# Altium PCB PCB2.PcbDoc (part 3 of 3)
Units mil, origin at the board's own origin, x right, y up, seen from the top; angles counter-clockwise.
Board outline 2125.98 x 2755.91 mil, 4 copper layers (Top Layer, Int1 (GND), Int2 (PWR), Bottom Layer), stack 53.912 mil thick; 204 components, 162 nets, 881 pads, 430 vias.
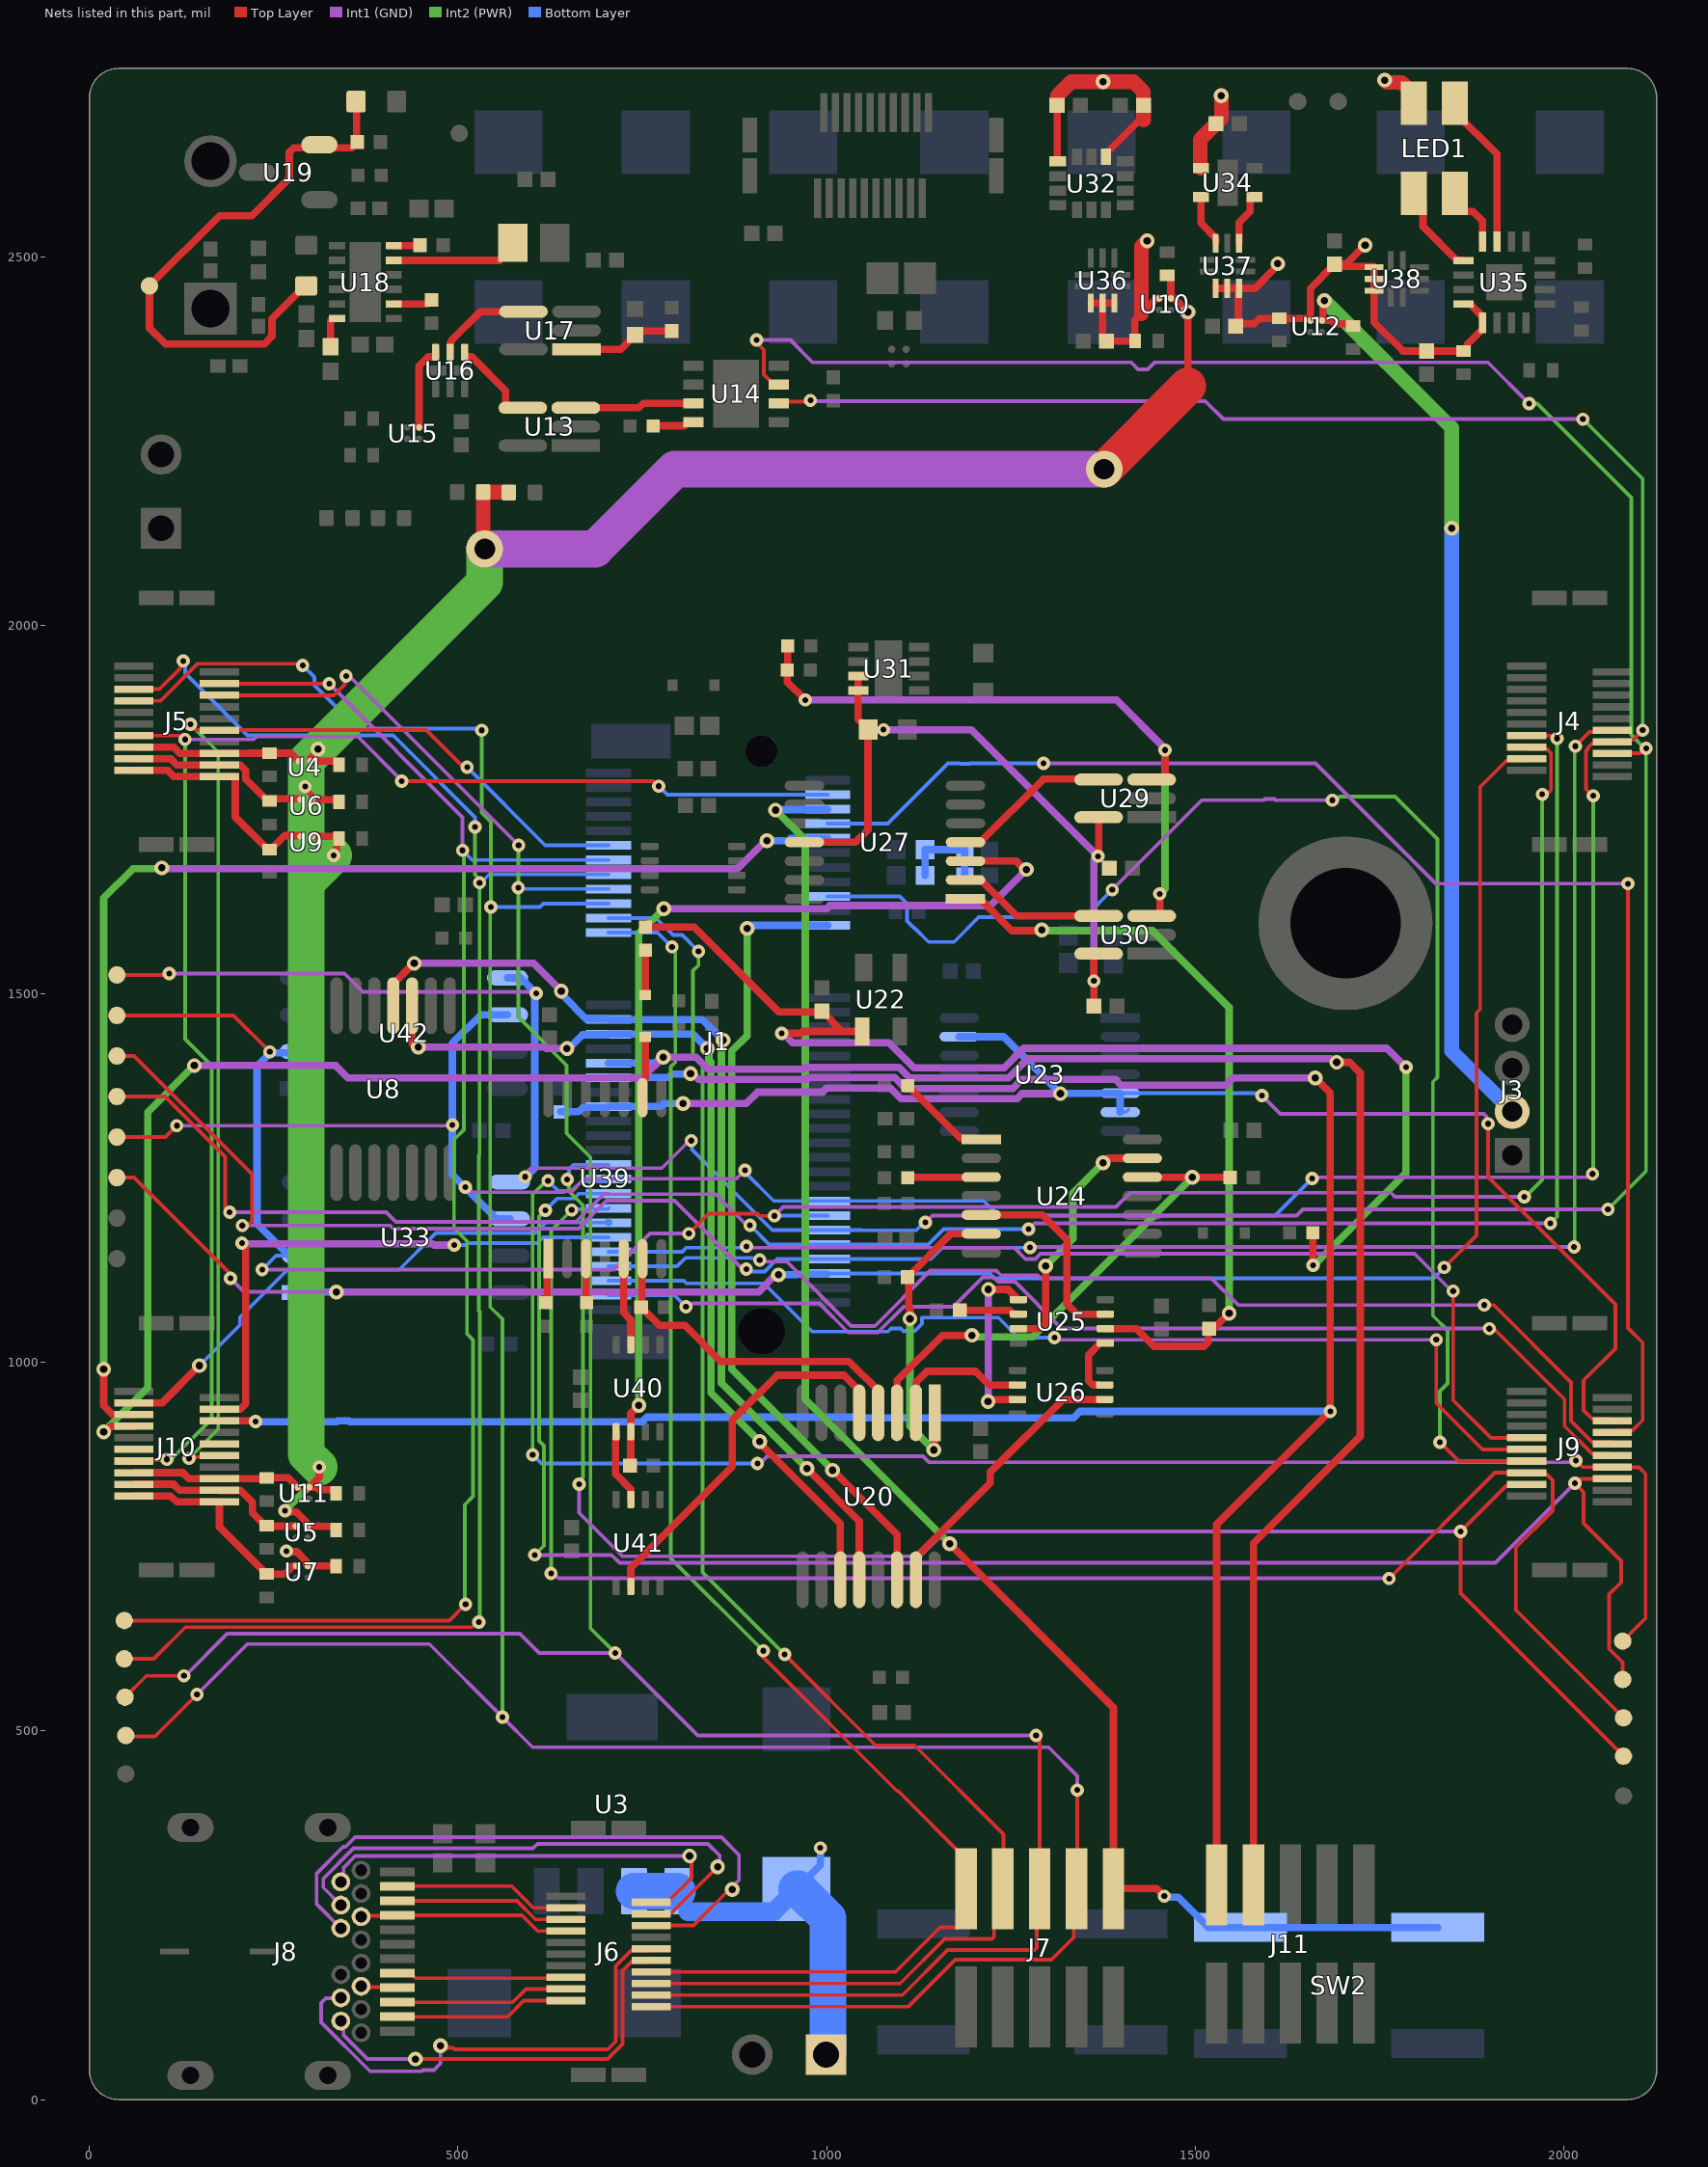
[diagram p5: the nets of this part, all layers, seen from the top]

## Via types
v1: diameter 18, hole 8, Top Layer to Bottom Layer, 311 vias
v2: diameter 20, hole 10, Top Layer to Bottom Layer, 102 vias
v3: diameter 50, hole 28, Top Layer to Bottom Layer, 6 vias
v4: diameter 90, hole 78.74, Top Layer to Bottom Layer, 4 vias
v5: diameter 19.68, hole 7.87, Top Layer to Bottom Layer, 4 vias
v6: diameter 23.62, hole 11.81, Top Layer to Bottom Layer, 2 vias
v7: diameter 30, hole 12, Top Layer to Bottom Layer, 1 vias

## Nets (pads, with @x,y where several pads share a name; then routed paths per layer and width w, separated by ;. In a path a pad name is that pad's centre, name@x,y a point inside that pad or via, vN(x,y) a via of type N, cw(c..) or ccw(c..) an arc to the next point about the centre after c; other vN are vias at no path point) (continued)
NetD3_1: D3.1 R29.2 | length 60.7
  Top Layer w10: D3.1@754.09,1498.74 R29.2@754.09,1559.45
NetD3_2: D3.2 U39.9 | length 83.8
  Top Layer w10: U39.9@750.28,1359.46 750.28,1380.36 754.09,1384.18 D3.2@754.09,1441.65
NetJ6_2: J6.2 J8.A11 | length 237.5
  Top Layer w5: J8.A11@417.56,112.36 567.24,112.36 589.09,134.21 J6.2@646.02,134.21
NetJ6_4: J6.4 J8.A10 | length 235.9
  Top Layer w5: J8.A10@417.56,132.05 574.2,132.05 592.09,149.94 J6.4@646.02,149.96
NetJ6_6: J6.6 J8.A8 | length 231.7
  Top Layer w5: J8.A8@417.56,171.42 435.28,171.42 442.06,164.63 644.95,164.63 J6.6@646.02,165.71
NetJ6_9: J6.9 J8.B2 | length 565.6
  Top Layer w5: v2(442.09,54.94) 702.82,54.94 723.09,75.22 723.09,174.81 734.8,186.52 759.74,186.52 J6.9@762.17,188.94
  Int1 (GND) w5: J8.B2@340.79,106.46 344.73,102.52 344.73,87.04 376.82,54.94 v2(442.09,54.94)
NetJ6_11: J6.11 J8.B3 | length 678.4
  Top Layer w5: v2(476.09,72.94) 478.96,70.07 492.96,70.07 495.09,67.94 703.09,67.94 714.09,78.94 714.09,181.55 734.8,202.26 759.74,202.26 J6.11@762.17,204.69
  Int1 (GND) w5: J8.B3@340.79,137.95 340.18,137.34 320.49,137.34 314.09,130.94 314.09,104.95 380.59,38.44 450.43,38.44 451.93,39.94 467.09,39.94 476.09,48.94 v2(476.09,72.94)
NetJ6_15: J6.15 J8.B8 | length 872.1
  Top Layer w5: J6.15@762.17,236.18 819.33,236.18 868.09,284.94 v2(872.09,284.94)
  Int1 (GND) w5: J8.B8@340.79,232.44 308.09,265.13 308.09,306.94 344.02,342.87 347.29,342.87 360.4,355.98 857.06,355.98 881.02,332.02 881.02,297.93 872.09,289 v2(872.09,284.94)
NetJ6_16: J6.16 J8.A3 | length 239
  Top Layer w5: J8.A3@417.56,269.84 579.71,269.84 605.11,244.45 J6.16@646.02,244.45
NetJ6_17: J6.17 J8.B10 | length 742.6
  Top Layer w5: J6.17@762.17,251.93 764.59,254.35 790.67,254.35 v2(852.09,315.78)
  Int1 (GND) w5: J8.B10@340.79,263.94 317.09,287.63 317.09,299.94 358.09,340.94 601.56,340.94 607.59,346.98 838.95,346.98 854.96,330.96 854.96,318.65 v2(852.09,315.78)
NetJ6_18: J6.18 J8.A2 | length 240.6
  Top Layer w5: J8.A2@417.56,289.53 572.75,289.53 602.08,260.2 J6.18@646.02,260.2
NetJ6_19: J6.19 J8.B11 | length 595.9
  Top Layer w5: J6.19@762.17,267.68 783.82,267.68 786.24,270.1 816.5,300.36 816.5,328.03 v2(814.06,330.48)
  Int1 (GND) w5: J8.B11@340.79,295.43 344.73,299.37 344.73,314.85 360.35,330.48 v2(814.06,330.48)
NetL1_2: L1.2 U18.5 | length 174.8
  Top Layer w10: U18.5@412.59,2495.48 556.45,2495.48 574.11,2513.14 L1.2@574.11,2519.09
NetLED1_2: LED1.2 U35.11 | length 211.3
  Top Layer w10: LED1.2@1852.26,2708.6 1852.26,2696.79 1909.41,2639.64 U35.11@1909.41,2520.94
NetLED1_3: LED1.3 U35.13 | length 124.4
  Top Layer w10: LED1.3@1796.46,2586.55 1809.17,2573.84 1809.17,2541.49 1855.35,2495.32 U35.13@1864.09,2495.32
NetLED1_4: LED1.4 U35.12 | length 88.1
  Top Layer w10: LED1.4@1852.16,2586.55 1852.16,2574.74 1864.88,2562.03 1876.69,2562.03 1889.72,2548.99 U35.12@1889.72,2520.94
NetR1_2: R1.2 R2.2 R3.2 R4.2 | length 123.6
  Bottom Layer w10: R2.2@1133.78,1660.94 R3.2@1133.78,1695.94 R4.2@1187.36,1695.94 R1.2@1187.36,1660.94
NetR12_2: R12.2 U14.8 | length 56.3
  Top Layer w10: R12.2@764.84,2270.94 807.2,2270.94 812.2,2275.94 U14.8@819.09,2275.94
NetR14_1: R14.1 R15.2 U17.1 | length 139.3
  Top Layer w10: U17.1@660.61,2374.76 720.62,2374.76 745.38,2399.52 R14.1@789.65,2399.52
NetR16_2: R16.2 R21.2 R22.2 U19.2 VREF_RAW.1 | length 764.9
  Top Layer w10: R16.2@294.09,2460.83 292.13,2460.83 247.4,2416.09 247.4,2392.17 237.17,2381.94 103.09,2381.94 81.21,2403.83 VREF_RAW.1@81.21,2460.83 176.33,2555.94 220.09,2555.94 271.02,2606.87 271.02,2642.05 277.31,2648.35 355.75,2648.35 363.26,2655.86 R21.2@363.26,2655.94 362.4,2656.81 362.4,2710.08 R22.2@361.54,2710.94
NetR17_2: R17.2 U18.2 | length 53.7
  Top Layer w10: U18.2@412.59,2436.41 458.64,2436.41 464.01,2441.78 R17.2@464.09,2441.78
NetR19_2: R19.2 U18.6 | length 36
  Top Layer w10: U18.6@412.59,2515.17 447.49,2515.17 R19.2@448.26,2515.94
NetR23_2: R23.2 U18.12 | length 45.6
  Top Layer w10: R23.2@326.97,2378.22 326.97,2414.09 329.59,2416.72 U18.12@335.59,2416.72
NetR32_2: R32.2 U20.3 U24.12 | length 679.5
  Top Layer w10: U20.3@1095.47,931.73 1095.78,932.04 1095.78,975.63 1157.09,1036.94 v2(1197.09,1036.94) ; U24.12@1428.36,1251.54 1428.66,1251.24 v2(1496.09,1251.24) 1547.13,1251.24 R32.2@1547.43,1250.94
  Int2 (PWR) w10: v2(1197.09,1036.94) 1199.01,1035.03 1206.08,1035.03 1206.17,1034.94 1279.8,1034.94 v2(1496.09,1251.24)
NetR33_2: R33.2 U20.1 U24.6 | length 424.6
  Top Layer w10: v2(1113.02,1059.25) 1113.02,1073.76 1111.47,1075.31 1111.47,1114.4 R33.2@1109.93,1115.94 1109.93,1116.03 1168.66,1174.76 U24.6@1209.83,1174.76 ; v2(1145.49,881.31) 1146.66,882.47 U20.1@1146.66,931.73
  Int2 (PWR) w10: v2(1113.02,1059.25) 1113.02,913.78 v2(1145.49,881.31)
NetR34_2: R34.2 U25.2 | length 81.4
  Top Layer w10: R34.2@1180.76,1070.94 1248.15,1070.94 1253.31,1065.79 U25.2@1260.04,1065.79
NetR35_1: R35.1 U24.3 | length 100.2
  Top Layer w10: R35.1@1109.84,1250.94 1110.14,1251.24 1209.53,1251.24 U24.3@1209.83,1251.54
NetR36_1: R36.1 U24.1 | length 130.3
  Top Layer w10: R36.1@1109.84,1375.94 1181.36,1304.42 1208.12,1304.42 U24.1@1209.83,1302.72
NetR37_2: R37.2 U25.6 U27.1 | length 1040.8
  Top Layer w10: U27.1@1188.36,1629.17 1208.34,1629.17 1251.56,1585.94 1291.09,1585.94 v2(1292.09,1586.94) ; U25.6@1378.15,1046.1 1419.99,1046.1 1444.15,1021.94 1511.65,1021.94 1517.51,1027.8 1517.51,1044.36 R37.2@1519.09,1045.94 1525.09,1045.94 v2(1546.09,1066.94)
  Int2 (PWR) w10: v2(1292.09,1586.94) 1293.09,1585.94 1442.09,1585.94 1546.09,1481.94 v2(1546.09,1066.94)
NetR42_2: R42.2 U20.4 U39.6 | length 464.2
  Top Layer w10: U39.6@750.28,1140.93 749.62,1140.28 749.62,1073.75 772.95,1050.42 807.62,1050.42 856.45,1001.59 1030.23,1001.59 1069.88,961.94 U20.4@1069.88,931.73
NetR43_2: R43.2 U27.3 U40.2 | length 1376.1
  Top Layer w10: R43.2@733.26,860.2 734.17,861.11 734.17,906.06 U40.2@734.25,906.14 734.25,931.04 v2(745.23,942.02) ; U27.3@1188.36,1680.35 1256.98,1680.35 1268.39,1668.94 v2(1271.09,1668.94)
  Int1 (GND) w10: v2(779.09,1615.94) 999.95,1615.94 1003.95,1619.94 1222.09,1619.94 v2(1271.09,1668.94)
  Int2 (PWR) w10: v2(745.23,942.02) 745.23,1582.08 v2(779.09,1615.94)
NetR44_1: R44.1 U39.3 | length 60.2
  Top Layer w10: U39.3@673.5,1140.93 673.8,1140.63 673.8,1081.24 R44.1@674.09,1080.94
NetR45_1: R45.1 U39.1 | length 61.3
  Top Layer w10: R45.1@619.09,1080.94 620.71,1082.56 620.71,1139.32 U39.1@622.32,1140.93
NetU13_3: U13.3 U14.7 | length 162
  Top Layer w10: U13.3@659.65,2295.35 745.16,2295.35 751.35,2301.54 U14.7@819.09,2301.54
NetU13_4: U13.4 U16.1 | length 125.8
  Top Layer w10: U16.1@508.78,2370.94 508.78,2364.61 508.86,2364.53 518.49,2364.53 564.48,2318.53 564.48,2298.29 567.42,2295.35 U13.4@587.72,2295.35
NetU15_2: U15.A2 U16.3 | length 117.1
  Top Layer w10: U15.A2@446.97,2268.82 446.97,2351.79 459.7,2364.53 469.33,2364.53 469.41,2364.61 U16.3@469.41,2370.94
NetU16_2: U16.2 U17.4 | length 130.6
  Top Layer w10: U16.2@489.09,2370.94 489.09,2383.06 491.09,2385.06 491.09,2386.94 530.09,2425.94 U17.4@588.68,2425.94
NetU20_2: U20.2 U26.6 | length 193.2
  Top Layer w10: U20.2@1121.06,931.73 1121.97,932.64 1121.97,973.96 1135.95,987.94 1202.09,987.94 1220.44,969.6 U26.6@1259.13,969.6
NetU20_5: U20.5 U41.2 | length 519.2
  Top Layer w10: U41.2@734.25,696.14 734.17,696.22 734.17,721.02 872.09,858.94 872.09,921.96 932.86,982.73 1023.51,982.73 1044.29,961.94 U20.5@1044.29,931.73
NetU20_15: U20.15 U26.2 | length 383.9
  Top Layer w10: U20.15@1121.06,705.32 1123.21,707.47 1123.21,737.68 1221.86,836.33 1221.86,851.26 1320.52,949.91 U26.2@1377.24,949.91
NetU24_5: U24.5 U25.7 | length 275.5
  Top Layer w10: U24.5@1209.83,1200.35 1292.84,1200.35 1326.09,1167.1 1326.09,1079.47 1339.86,1065.71 1378.07,1065.71 U25.7@1378.15,1065.79
NetU24_13: U24.13 U25.3 | length 345.4
  Top Layer w10: U25.3@1260.04,1046.1 1289.24,1046.1 1297.09,1053.96 v2(1297.09,1130.94) ; v2(1375.09,1270.94) 1381.28,1277.13 U24.13@1428.36,1277.13
  Int2 (PWR) w10: v2(1297.09,1130.94) 1334.14,1167.99 1334.14,1229.99 v2(1375.09,1270.94)
NetU25_1: U25.1 U26.7 | length 240
  Top Layer w10: v2(1219.09,946.94) 1221.8,946.94 1224.77,949.91 U26.7@1259.13,949.91 ; v2(1219.55,1099.27) 1246.24,1099.27 U25.1@1260.04,1085.47
  Int1 (GND) w10: v2(1219.09,946.94) 1219.55,947.4 v2(1219.55,1099.27)
NetU25_5: U25.5 U26.3 | length 75
  Top Layer w10: U26.3@1370.43,969.68 1361.13,969.68 1355.27,975.53 1355.27,1010.27 U25.5@1371.34,1026.34
NetU27_2: U27.2 U30.4 | length 201
  Top Layer w10: U27.2@1188.36,1654.76 1208.89,1654.76 1257.71,1605.94 U30.4@1369.09,1605.94
NetU27_4: U27.4 U29.4 | length 216.8
  Top Layer w10: U27.4@1188.36,1705.94 1208.34,1705.94 1294.34,1791.94 1368.09,1791.94 U29.4@1369.09,1790.94
NetU39_5: U39.5 U40.7 | length 120.6
  Top Layer w10: U39.5@724.69,1140.93 724.69,1067.53 734.25,1057.96 U40.7@734.25,1024.25
NetU40_1: U40.1 U41.7 | length 100.9
  Top Layer w10: U40.1@714.57,906.14 714.57,899.41 714.49,899.33 714.49,897.44 713.49,896.44 713.49,848.73 734.25,827.96 U41.7@734.25,814.25
PCIF_D4: J1.18 J9.8 | length 1935.6
  Top Layer w5: v1(1832.09,891.94) 1857.7,866.34 J9.8@1949.8,866.34
  Int1 (GND) w5: v1(1387.52,1641.41) 1509.06,1762.94 1593.17,1762.94 1594.67,1764.44 1607.51,1764.44 1609.01,1762.94 v1(1686.09,1762.94)
  Int2 (PWR) w5: v1(1686.09,1762.94) 1691.09,1762.94 1696.09,1767.94 1771.01,1767.94 1828.7,1710.26 1828.7,1386.98 1822.59,1380.87 1822.59,1063.51 1842.59,1043.51 1842.59,971.66 1832.09,961.16 v1(1832.09,891.94)
  Bottom Layer w5: J1.18@1001.34,1632.63 1099.28,1632.63 1109,1622.92 1109,1599.16 1118.72,1589.44 1119.51,1589.44 1138.28,1570.68 1172.83,1570.68 1206.33,1604.18 1350.3,1604.18 v1(1387.52,1641.41)
PCIF_D5: J1.73 J9.9 | length 1539.1
  Top Layer w5: v1(1899.09,1045.94) 1905.37,1045.94 2001.09,950.22 2001.09,913.73 2038.58,876.24 2063.52,876.24 J9.9@2065.94,873.82
  Int1 (GND) w5: v1(809.06,1075.75) 812.58,1075.75 816.91,1080.08 990.14,1080.08 1029.56,1040.66 1069.32,1040.66 1104.41,1075.75 1171.9,1075.75 1211.92,1115.77 1226.38,1115.77 1232.62,1109.52 1255.44,1109.52 1318.51,1046.44 1898.59,1046.44 v1(1899.09,1045.94)
  Bottom Layer w5: J1.73@704.09,1091.29 793.52,1091.29 v1(809.06,1075.75)
PCIF_D6: J1.71 J9.10 | length 1415.5
  Top Layer w5: v1(1827.09,1030.94) 1827.09,944.94 1889.95,882.09 J9.10@1949.8,882.09
  Int1 (GND) w5: v1(1309.09,1033.94) 1312.09,1030.94 v1(1827.09,1030.94)
  Bottom Layer w5: J1.71@704.09,1110.98 806.32,1110.98 809.86,1107.44 914.59,1107.44 980.09,1041.94 1083.26,1041.94 1087.58,1046.26 1100.42,1046.26 1104.64,1042.04 1105.77,1043.17 1106.19,1042.75 1119.86,1042.75 1129.52,1052.42 1129.52,1060.94 1233.09,1060.94 1260.09,1033.94 v1(1309.09,1033.94)
PCIF_D7: J1.69 J9.11 | length 1565.4
  Top Layer w5: v1(1892.09,1077.94) 1905.09,1077.94 2010.09,972.94 2010.09,920.48 2038.58,891.99 2063.52,891.99 J9.11@2065.94,889.57
  Int1 (GND) w5: v1(909.22,1139.08) 909.22,1136.94 946,1136.94 1033.29,1049.66 1065.59,1049.66 1140.7,1124.77 1230.11,1124.77 1236.35,1118.52 1286.18,1118.52 1290.26,1114.44 1521.93,1114.44 1558.43,1077.94 v1(1892.09,1077.94)
  Bottom Layer w5: J1.69@704.09,1130.66 797.14,1130.66 808.62,1142.14 897.49,1142.14 898.22,1141.42 906.88,1141.42 v1(909.22,1139.08)
PCIF_D8: J1.67 J9.12 | length 1450.8
  Top Layer w5: v1(1850.09,1096.94) 1850.09,948.95 1901.2,897.83 J9.12@1949.8,897.83
  Int1 (GND) w5: v1(891.09,1157.64) 891.09,1155.94 1254.17,1155.94 1269.67,1140.44 1283.26,1140.44 1290.26,1147.44 1797.67,1147.44 1848.17,1096.94 v1(1850.09,1096.94)
  Bottom Layer w5: J1.67@704.09,1150.35 804.1,1150.35 809.69,1155.94 891.09,1155.94 v1(891.09,1157.64)
PCIF_D9: J1.8 J9.13 | length 1972.2
  Top Layer w5: J9.13@2065.94,905.32 2068.37,907.74 2093.31,907.74 2107.09,921.52 2107.09,1026.94 2087.35,1046.69 v1(2087.35,1649.67)
  Int1 (GND) w5: v1(1294.09,1812.94) 1663.32,1812.94 1826.59,1649.67 v1(2087.35,1649.67)
  Bottom Layer w5: J1.8@1001.34,1731.06 1082.88,1731.06 1164.76,1812.94 1180.78,1812.94 1181.35,1812.38 1194.19,1812.38 1194.76,1812.94 v1(1294.09,1812.94)
PCIF_HSYNC: J1.65 J10.4 | length 753.7
  Top Layer w10: J10.4@176.18,936.81 176.26,936.89 204.74,936.89 211.76,943.91 v1@211.76,1156.28
  Int1 (GND) w10: v1(206.67,1161.94) 207.56,1161.06 465.85,1161.06 467.47,1159.44 v1(494.85,1159.44)
  Bottom Layer w5: v1(494.85,1159.44) 511.35,1159.44 513.85,1161.94 607.36,1161.94 615.45,1170.03 J1.65@704.09,1170.03
PCIF_PCLK: J1.10 J10.5 | length 1751.2
  Top Layer w10: v2(19.09,990.94) 19.09,941.8 31.48,929.41 59.96,929.41 J10.5@60.04,929.33
  Int1 (GND) w10: v2(98.09,1671.17) 99.32,1669.94 879.09,1669.94 917.03,1707.88 v2(919.16,1707.88)
  Int2 (PWR) w10: v2(19.09,990.94) 19.09,1629.94 59.09,1669.94 96.87,1669.94 v2(98.09,1671.17)
  Bottom Layer w10: v2(919.16,1707.88) 947.45,1707.88 950.94,1711.37 J1.10@1001.34,1711.37
PCIF_VSYNC: J1.63 J10.3 | length 751.6
  Top Layer w10: J10.3@60.04,945.08 60.12,945.16 98.31,945.16 v2(149.09,995.94)
  Bottom Layer w5: v2(149.09,995.94) 203.98,1050.83 203.98,1061.16 268.5,1125.68 419.83,1125.68 469.83,1175.68 604.83,1175.68 619.09,1189.94 J1.63@703.87,1189.94
  Bottom Layer w10: J1.63@703.87,1189.94 J1.63@704.09,1189.72
PDOWN: J1.11 J5.12 J10.12 | length 1716
  Top Layer w5: v1(135.09,869.94) 137.03,871.88 174.24,871.88 J10.12@176.18,873.82 ; v1(136.9,1866.14) 136.9,1863.5 138.96,1861.44 139.41,1861.44 140.48,1862.5 144.91,1858.07 J5.12@176.18,1858.07 456.73,1858.07 512.22,1802.58 v1(512.22,1807.75)
  Int2 (PWR) w5: v1(135.09,869.94) 174.59,909.44 174.59,1828.45 v1(136.9,1866.14)
  Bottom Layer w5: v1(512.22,1807.75) 618.03,1701.94 703.68,1701.94 J1.11@704.09,1701.53
PT0: J10.10
PT1: J10.11
QSPI0_MISO: J1.62 J4.6 QSPI0_MISO.1 U33.2 U42.2 | length 3123
  Top Layer w5: QSPI0_MISO.1@37.09,1470.94 195.16,1470.94 v1(244.49,1421.61) ; v1(813.09,1174.94) 839.89,1201.74 906.21,1201.74 909.01,1198.94 v1(929.09,1198.94) ; J4.6@1949.8,1834.84 1952.22,1832.42 1977.16,1832.42 1982.88,1826.71 1982.88,1776.73 1980.09,1773.94 1973.97,1773.94 v1(1970.95,1770.93)
  Int1 (GND) w5: v1(234.15,1125.94) 711.36,1125.94 760.36,1174.94 v1(813.09,1174.94) ; v1(929.09,1198.94) 941.1,1210.95 1392.42,1210.95 1411.91,1230.44 1765.62,1230.44 1771.18,1224.88 v1(1946.64,1224.88)
  Int2 (PWR) w5: v1(1946.64,1224.88) 1948.03,1224.88 1970.95,1247.8 v1(1970.95,1770.93)
  Bottom Layer w5: v1(234.15,1125.94) 253.11,1144.9 270.89,1144.9 U33.2@288.61,1144.9 ; v1(929.09,1198.94) 929.4,1199.25 1001.03,1199.25 J1.62@1001.34,1199.56
  Bottom Layer w10: U33.2@270.89,1144.9 227.09,1188.7 227.09,1402.09 244.95,1419.95 283.78,1419.95 U42.2@285.78,1421.94
QSPI0_MOSI: J1.64 J4.5 QSPI0_MOSI.1 U14.3 U33.5 U42.5 | length 4849.8
  Top Layer w5: QSPI0_MOSI.1@37.09,1525.94 106.15,1525.94 v1(107.96,1527.75) ; v1(905.09,2387.43) 905.09,2383.91 914.96,2374.05 914.96,2340.52 928.35,2327.13 U14.3@935.24,2327.13 ; J4.5@2065.94,1826.57 2103.72,1826.57 2112.09,1834.94 2112.09,1833.59 v1(2111.83,1833.33)
  Int1 (GND) w5: v1(107.96,1527.75) 345.88,1527.75 370.69,1502.94 605.09,1502.94 606.09,1501.94 v1(606.09,1500.94) ; v1(591.09,1251.94) 591.09,1255.46 595.5,1259.87 595.5,1260.87 598.43,1263.8 776.37,1263.8 813.62,1301.05 v1(816.28,1301.05) ; v1(905.09,2387.43) 950.61,2387.43 981.09,2356.94 1413.59,2356.94 1413.59,2356.52 1422.67,2347.44 1435.51,2347.44 1444.59,2356.52 1444.59,2356.94 1897.09,2356.94 v1(1953.09,2300.94) ; v1(1133.99,1190.17) 1134.14,1190.17 1143.42,1199.44 1637.59,1199.44 1646.09,1207.94 v1(2060.09,1207.94)
  Int2 (PWR) w5: v1(1953.09,2300.94) 1964.09,2300.94 2091.59,2173.44 2091.59,1851.52 2109.79,1833.33 v1(2111.83,1833.33) 2111.83,1259.68 v1(2060.09,1207.94)
  Bottom Layer w5: v1(816.28,1301.05) 817.34,1299.98 817.34,1288.78 926.24,1179.87 1046.22,1179.87 1046.65,1179.44 1121.38,1179.44 1132.11,1190.17 v1(1133.99,1190.17)
  Bottom Layer w10: U42.5@567.09,1521.94 584.81,1521.94 v1@604.04,1502.72 ; U33.5@591.48,1251.56 604.04,1264.12 v1@604.04,1500.94
QSPI0_SCK: J1.60 J4.7 QSPI0_SCK.1 U14.2 U33.6 U42.6 | length 4657.1
  Top Layer w5: QSPI0_SCK.1@37.09,1305.94 102.92,1305.94 v1(118.39,1321.41) ; U14.2@935.24,2301.54 937.21,2303.51 976.05,2303.51 v1(978.02,2305.48) ; v1(2040.09,1768.94) 2039.09,1768.94 2030.09,1777.94 2030.09,1829.94 2032.87,1832.72 2032.87,1834.19 2038.58,1839.9 2063.52,1839.9 J4.7@2065.94,1842.32 2068.37,1844.74 2093.89,1844.74 v1(2107.09,1857.94)
  Int1 (GND) w5: v1(118.39,1321.41) 491.52,1321.41 v1(492.33,1322.23) ; v1(509.94,1237.94) 509.94,1235.71 514.52,1231.13 643.63,1231.13 645.3,1232.8 654.51,1232.8 671.11,1249.4 877.49,1249.4 889.03,1260.94 v1(889.28,1260.94) ; v1(978.02,2305.48) 979.05,2304.44 1513.67,2304.44 1538.17,2279.94 v1(2026.09,2279.94) ; v1(1658.68,1249.69) 1660.23,1251.24 2030.87,1251.24 2035.58,1255.94 v1(2039.09,1255.94)
  Int2 (PWR) w5: v1(2026.09,2279.94) 2107.09,2198.94 v1(2107.09,1857.94) ; v1(2039.09,1255.94) 2040.09,1256.94 v1(2040.09,1768.94)
  Bottom Layer w5: v1(889.28,1260.94) 889.28,1258.25 928.29,1219.24 J1.60@1001.34,1219.24 1213.11,1219.24 1232.91,1199.44 1608.43,1199.44 v1(1658.68,1249.69)
  Bottom Layer w10: U42.6@567.09,1471.94 566.99,1471.84 530.99,1471.84 492.09,1432.94 492.09,1255.02 552.21,1194.9 U33.6@569.93,1194.9